# Altium PCB Main.PcbDoc (part 1 of 2)
Units mm, origin at the board's own origin, x right, y up, seen from the top; angles counter-clockwise.
Board outline 52 x 90 mm, 4 copper layers (Top Copper, Top GND, Bottom GND, Bottom Copper), stack 1.586 mm thick; 127 components, 102 nets, 535 pads, 442 vias.
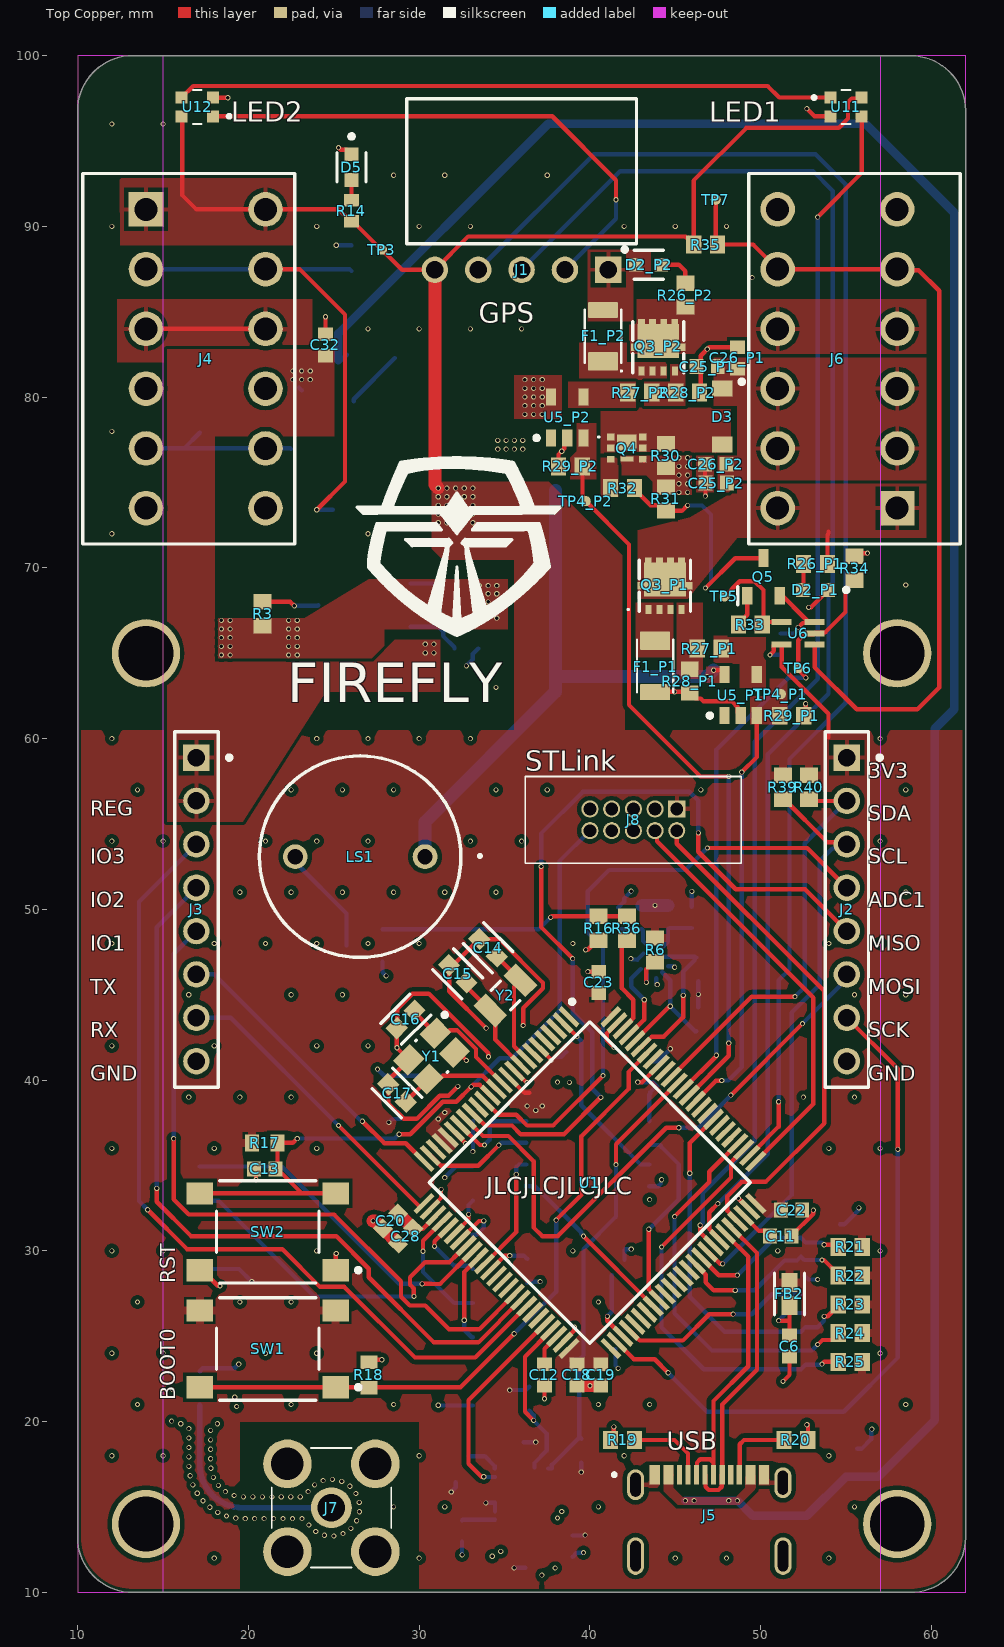
[diagram p0: Top Copper view]
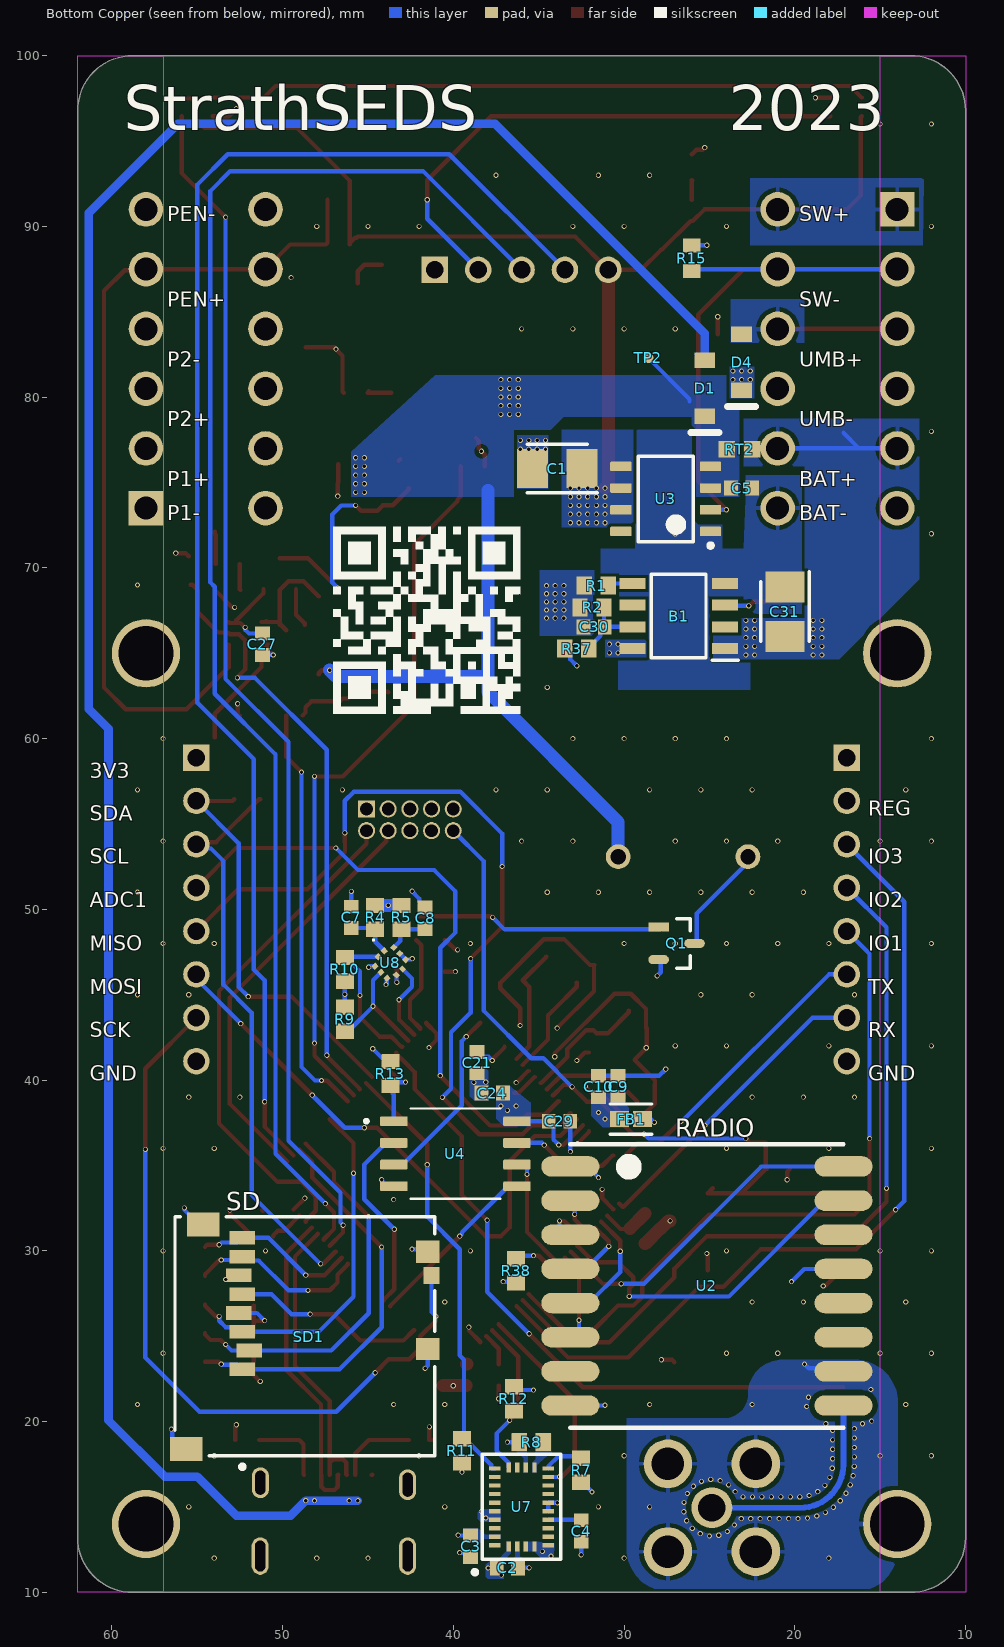
[diagram p1: Bottom Copper view, seen from below]
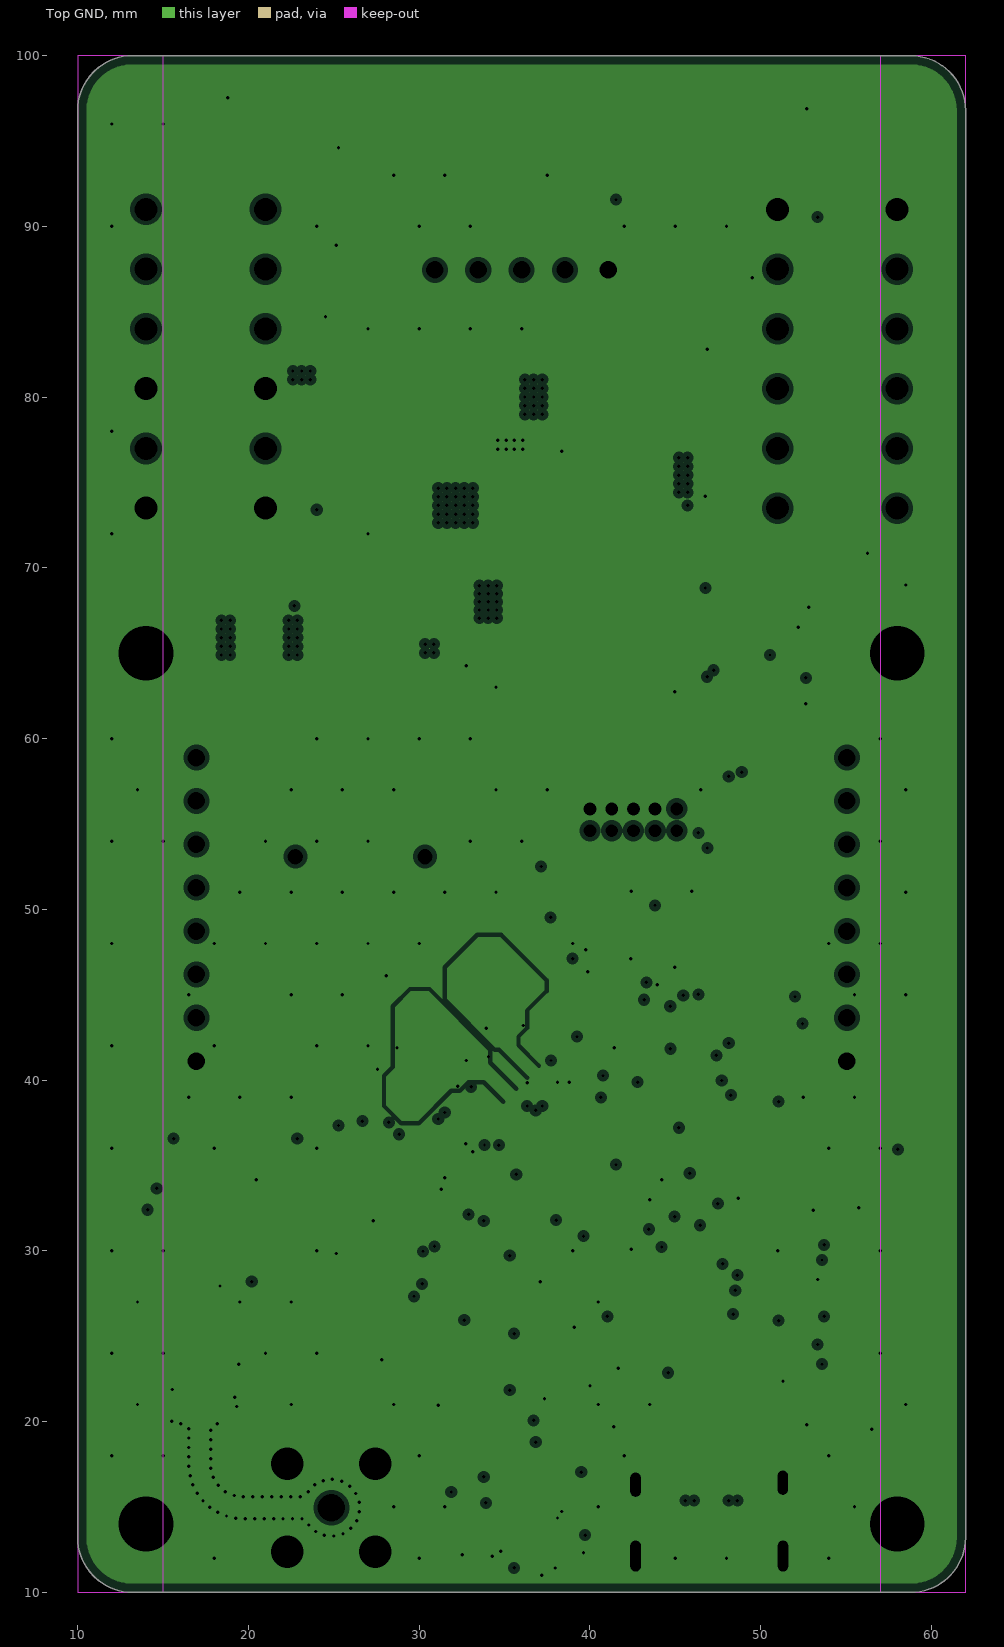
[diagram p2: Top GND, clearances drawn from the general rule]
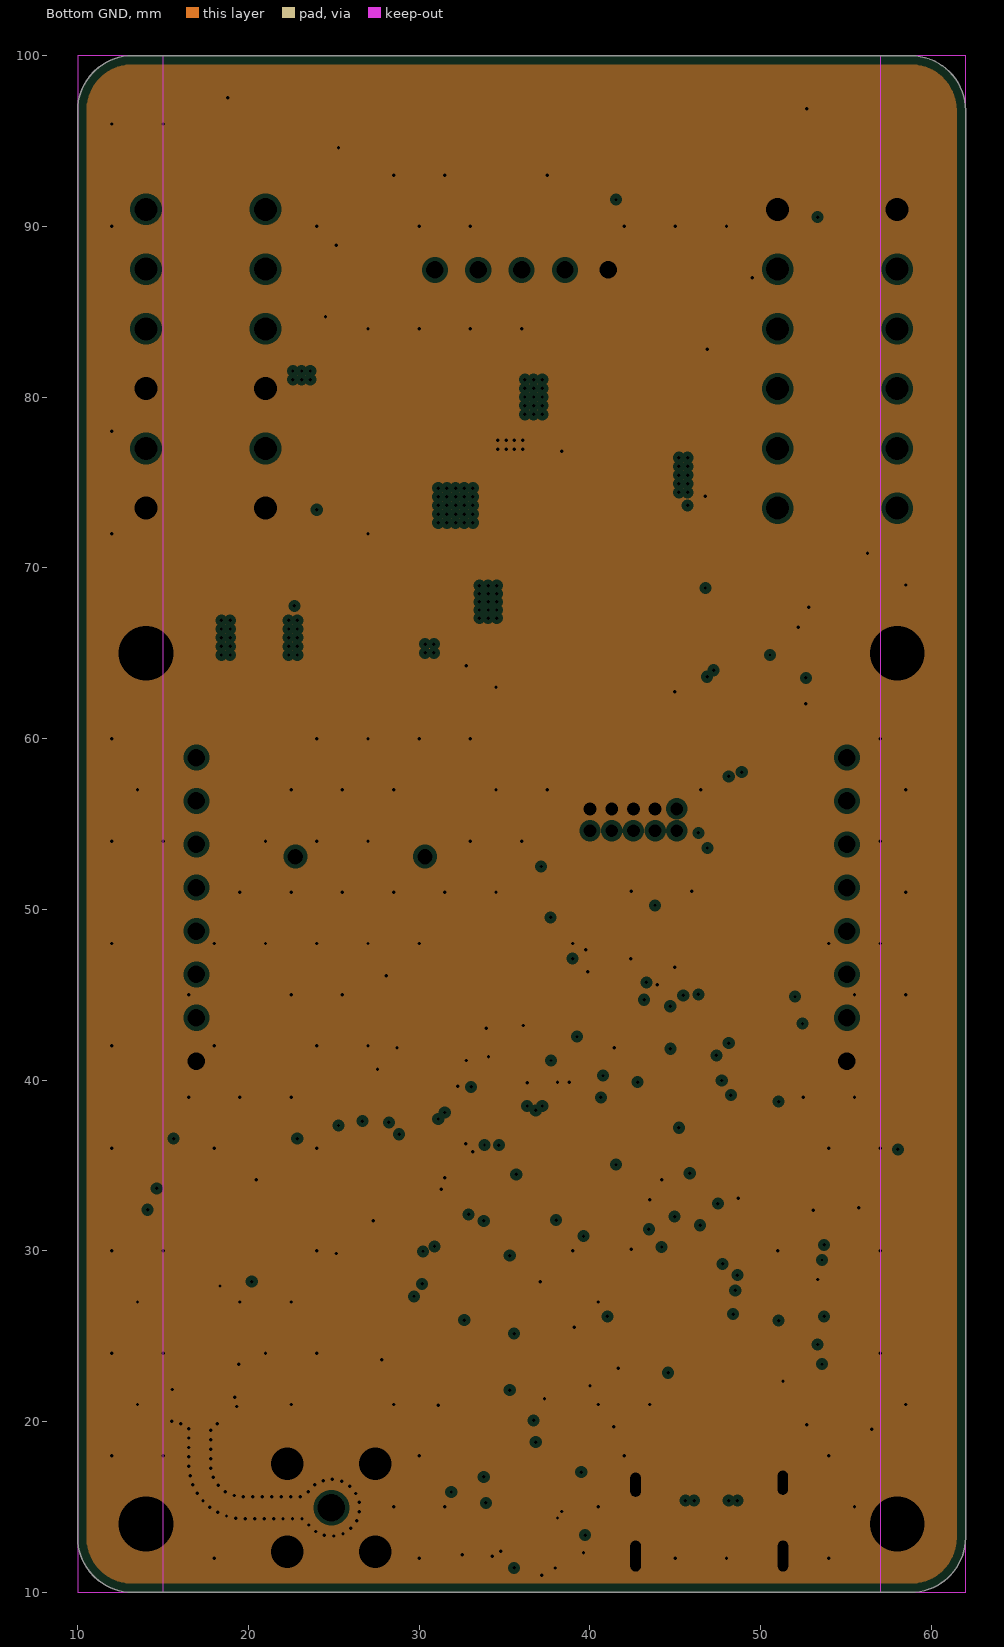
[diagram p3: Bottom GND, clearances drawn from the general rule]
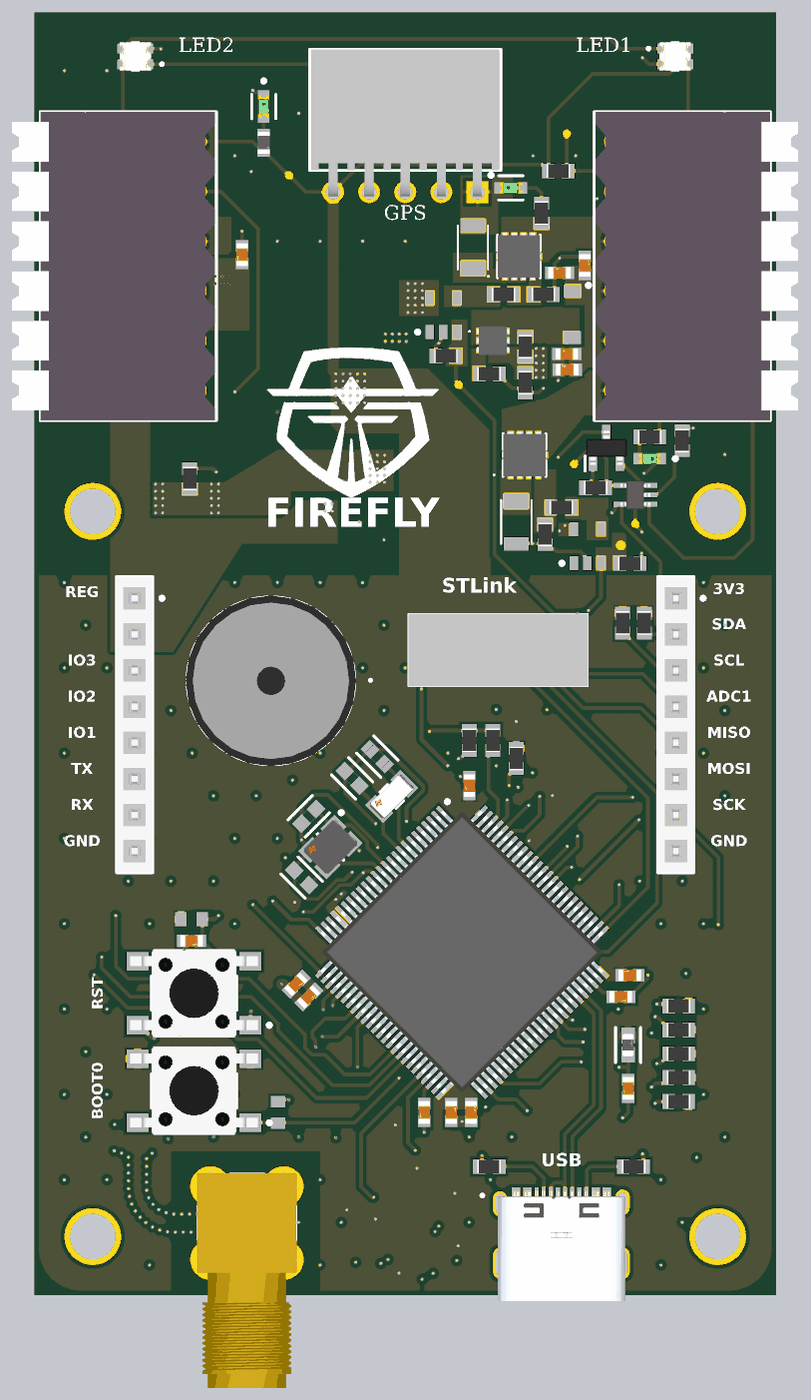
[diagram p5: 3D render of the assembled board from above, using the file's embedded part models]
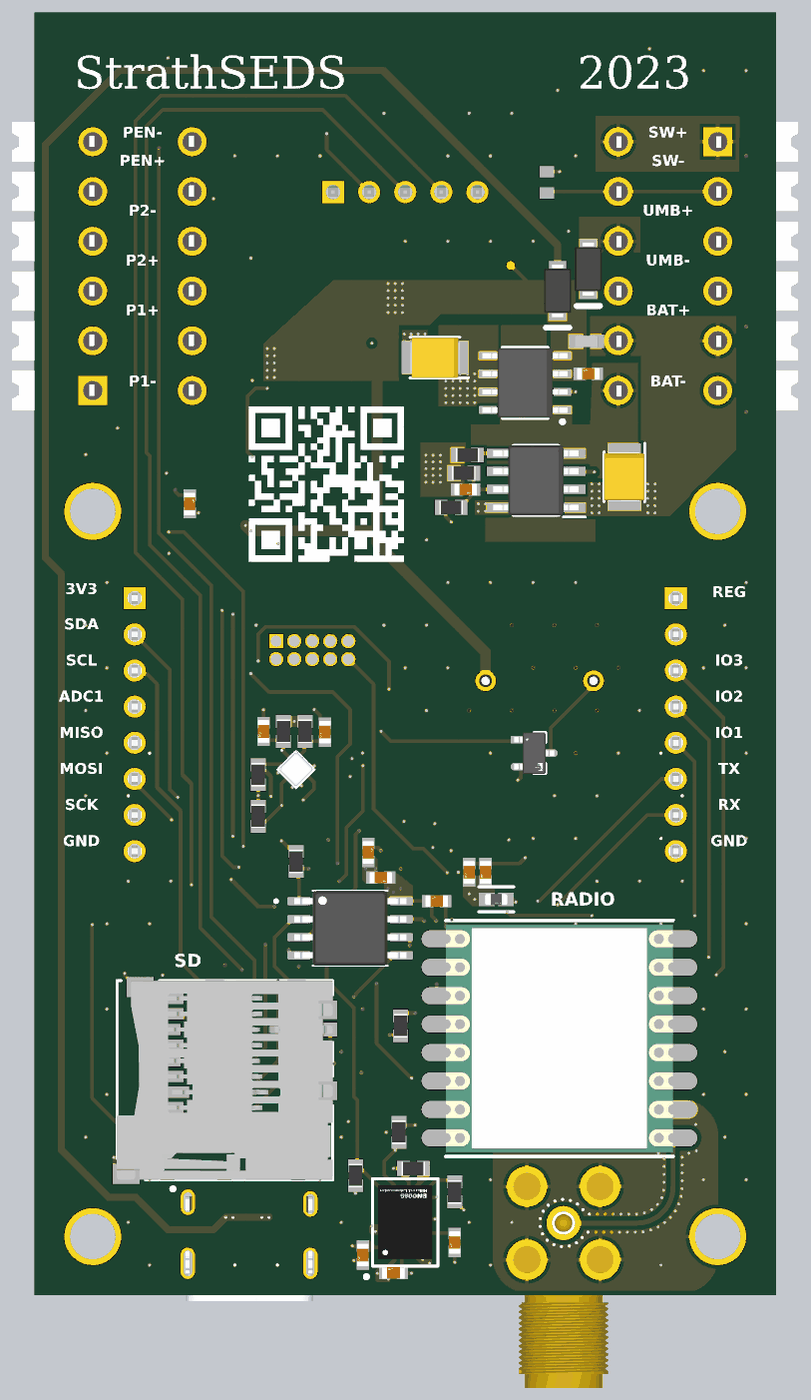
[diagram p6: 3D render of the assembled board from below, using the file's embedded part models]

## Layer stack, top to bottom
Top Mask: solder mask 0.0203, Solder Resist, Dk 3.8
Top Copper: signal copper 0.035
Dielectric 1: prepreg 0.2104, 7628, Dk 4.6
Top GND: plane copper 0.0152, net GND
Core: core 1.065, FR-4, Dk 4.6
Bottom GND: plane copper 0.0152, net GND
Dielectric 2: prepreg 0.2104, 7628, Dk 4.6
Bottom Copper: signal copper 0.035
Bottom Mask: solder mask 0.0203, Solder Resist, Dk 3.8

## Board outline
10,13.2 10,96.8 cw(c13.2,96.8) 13.2,100 58.8,100 cw(c58.8,96.8) 62,96.8 62,13.2 cw(c58.8,13.2) 58.8,10 13.2,10 cw(c13.2,13.2)

## Design rules (kind name [scope] priority, off if disabled: settings)
BoardOutlineClearance [All] p1: gap=0.2 ignorepadtopadclearanceinfootprint=FALSE
Clearance [All] p1: gap=0.254 ignorepadtopadclearanceinfootprint=TRUE except(0: Arc-Hole Track-Hole SMDPad-Hole THPad-Hole Via-Hole Fill-Hole Poly-Hole Region-Hole Text-Hole; 0.09: Arc-Arc Arc-Track Track-Track; 0.127: SMDPad-SMDPad; 0.2: Arc-SMDPad Track-SMDPad SMDPad-Fill SMDPad-Poly SMDPad-Region Fill-Fill Fill-Poly Fill-Region Poly-Poly Poly-Region Region-Region; 0.33: Arc-THPad Track-THPad; 0.5: THPad-THPad)
DiffPairsRouting [All] p1: maxlimit=0.254 minlimit=0.09 mostfreqgap=0.254 toplayer_minwidth=0.09 toplayer_maxwidth=0.381 toplayer_prefwidth=0.254 bottomlayer_minwidth=0.09 bottomlayer_maxwidth=0.381 bottomlayer_prefwidth=0.254 maxuncoupledlength=12.7
HoleSize [All] p1: absolutevalues=TRUE maxlimit=6.3 minlimit=0.2 maxpercent=80.000 minpercent=20.000
MinimumSolderMaskSliver [All] p1: minsoldermaskwidth=0.09
PlaneClearance [All] p1: clearance=0.254
PlaneConnect [All] p1: pad.planeconnectstyle=Relief pad.reliefexpansion=0.254 pad.reliefentries=4 pad.reliefconductorwidth=0.254 pad.reliefairgap=0.254 via.planeconnectstyle=Direct via.reliefexpansion=0.508 via.reliefentries=4 via.reliefconductorwidth=0.254 via.reliefairgap=0.254
PolygonConnect PolygonConnect_vcc [IsNamedPolygon('VCC_L01_P242')] p1: thpad.connectstyle=Relief thpad.reliefconductorwidth=0.254 thpad.reliefentries=4 thpad.polygonreliefangle="90 Angle" thpad.airgapwidth=0.254 smdpad.connectstyle=Relief smdpad.reliefconductorwidth=0.5 smdpad.reliefentries=4 smdpad.polygonreliefangle="90 Angle" smdpad.airgapwidth=0.127 via.connectstyle=Direct via.reliefconductorwidth=0.254 via.reliefentries=4 via.polygonreliefangle="90 Angle" via.airgapwidth=0.254
PolygonConnect [All] p2: thpad.connectstyle=Relief thpad.reliefconductorwidth=0.254 thpad.reliefentries=4 thpad.polygonreliefangle="90 Angle" thpad.airgapwidth=0.254 smdpad.connectstyle=Direct smdpad.reliefconductorwidth=0.254 smdpad.reliefentries=4 smdpad.polygonreliefangle="90 Angle" smdpad.airgapwidth=0.254 via.connectstyle=Direct via.reliefconductorwidth=0.254 via.reliefentries=4 via.polygonreliefangle="90 Angle" via.airgapwidth=0.254
RoutingVias [All] p1: holewidth=0.2 width=0.35 viastyle="Through Hole" minholewidth=0.15 minwidth=0.25 maxholewidth=0.711 maxwidth=1.27 useviatemplates=TRUE viatemplateguid#1={842D295A-8E56-4614-9B11-91D02DC00ACA} viatemplateguid#2={7C6A3F83-D217-419B-9190-88431C2A1CC1} viatemplatename#1=v30h20 viatemplatename#2=v35h20
SolderMaskExpansion SolderMaskExpansion_via [IsVia] p1: expansion=0.102 istentingtop=TRUE
SolderMaskExpansion [All] p2: expansion=0.05 istentingtop=FALSE
Width Width_ANT [InNet('ANT')] p1: maxlimit=0.346 minlimit=0.345 preferedwidth=0.346 toplayer_maxwidth=0.345 toplayer_prefwidth=0.345 bottomlayer_minwidth=0.346 impedanceprofiledriven=TRUE impedanceprofileid={C9A75A39-6BB0-4BA3-88C8-EAFAC334B116} impedanceprofilevalue=50.000000 minimp=50.000000 maximp=50.000000 favimp=50.000000
Width [All] p2: maxlimit=0.76 minlimit=0.09 preferedwidth=0.254
25 further rules are at their usual default settings.

## Classes and differential pairs
net class Pyro_Low_[1..2]: Pyro_Low_1 Pyro_Low_2
net class Pyro_High_[1..2]: Pyro_High_1
net class Pyro_Fire_[1..2]: Pyro_Fire_1 Pyro_Fire_2
component class Recovery: LS1 Q1 R16 R36
channel class Pyro: P1 P2
component class "Pyro Power": C27 D3 Q4 Q5 R30 R31 R32 R33 R34 R35 TP5 TP6 TP7 U6 X?
component class P2: C25_P2 C26_P2 D2_P2 F1_P2 P?_Pyro2 Q3_P2 Q?_Pyro2 R26_P2 R27_P2 R28_P2 R29_P2 TP4_P2 U5_P2 U?_Pyro2
component class P1: C25_P1 C26_P1 D2_P1 F1_P1 P?_Pyro1 Q3_P1 Q?_Pyro1 R26_P1 R27_P1 R28_P1 R29_P1 TP4_P1 U5_P1 U?_Pyro1
component class Radio: J7 U2
component class Storage: C6 C29 FB2 R13 R21 R22 R23 R24 R25 SD1 U4
component class Sensors: C2 C3 C4 C7 C8 R4 R5 R6 R7 R8 R9 R10 R11 R12 U7 U8
component class Power: B1 C1 C5 C30 C31 C32 D1 D4 D5 R1 R2 R3 R14 R15 R37 RT2 TP2 TP3 U3
component class MCU: C9 C10 C11 C12 C13 C14 C15 C16 C17 C18 C19 C20 C21 C22 C23 C24 C28 FB1 R17 R18 R38 SW1 SW2 U1 U11 U12 Y1 Y2
component class Connectors: J1 J2 J3 J4 J5 J6 J8 R19 R20 R39 R40
differential pair USB_Data: +USB_Data_P -USB_Data_N

## Components (designator, comment, footprint, x,y, rotation, side; value= is the part's Value field where it differs from the comment)
B1 "LP2954IMX_NOPB" SOIC127P600X175-8N 26.797,67.183 r0 bottom
C1 "TPSB226K010R0500" CAPPM3528X210N 33.909,75.819 r0 bottom
C2 "Generic-Capacitor" FP-0603-L_1_6_0_15-W_0_81-IPC_C 36.83,11.43 r0 bottom value=100nF
C3 "Generic-Capacitor" FP-0603-L_1_6_0_15-W_0_81-IPC_C 38.989,12.7 r270 bottom value=100nF
C4 "Generic-Capacitor" FP-0603-L_1_6_0_15-W_0_81-IPC_C 32.512,13.589 r270 bottom value=100nF
C5 "Generic-Capacitor" FP-0603-L_1_6_0_15-W_0_81-IPC_C 23.114,74.676 r0 bottom value=100nF
C6 "Generic-Capacitor" FP-0603-L_1_6_0_15-W_0_81-IPC_C 51.689,24.425 r270 top value=100nF
C7 "Generic-Capacitor" FP-0603-L_1_6_0_15-W_0_81-IPC_C 45.974,49.53 r270 bottom value=100nF
C8 "Generic-Capacitor" FP-0603-L_1_6_0_15-W_0_81-IPC_C 41.656,49.48 r270 bottom value=100nF
C9 "Generic-Capacitor" FP-0603-L_1_6_0_15-W_0_81-IPC_C 30.353,39.624 r270 bottom value=100nF
C10 "Generic-Capacitor" FP-0603-L_1_6_0_15-W_0_81-IPC_C 31.496,39.624 r270 bottom value=1uF
C11 "Generic-Capacitor" FP-0603-L_1_6_0_15-W_0_81-IPC_C 51.181,30.861 r0 top value=2.2nF
C12 "Generic-Capacitor" FP-0603-L_1_6_0_15-W_0_81-IPC_C 37.338,22.733 r270 top value=2.2nF
C13 "Generic-Capacitor" FP-0603-L_1_6_0_15-W_0_81-IPC_C 20.955,34.798 r0 top value=100nF
C14 "0603CG4R3C500NT" FP-CL10-IPC_B 34.036,47.752 r135 top value=4.3pF
C15 "0603CG4R3C500NT" FP-CL10-IPC_B 32.258,46.228 r135 top value=4.3pF
C16 "CL10C060DB8NNNC" FP-CL10-IPC_B 29.21,43.561 r225 top value=6pF
C17 "CL10C060DB8NNNC" FP-CL10-IPC_B 28.702,39.243 r135 top value=6pF
C18 "Generic-Capacitor" FP-0603-L_1_6_0_15-W_0_81-IPC_C 39.243,22.733 r90 top value=4.7uF
C19 "Generic-Capacitor" FP-0603-L_1_6_0_15-W_0_81-IPC_C 40.64,22.733 r90 top value=100nF
C20 "Generic-Capacitor" FP-0603-L_1_6_0_15-W_0_81-IPC_C 28.321,31.75 r45 top value=100nF
C21 "Generic-Capacitor" FP-0603-L_1_6_0_15-W_0_81-IPC_C 38.608,41.021 r90 bottom value=100nF
C22 "Generic-Capacitor" FP-0603-L_1_6_0_15-W_0_81-IPC_C 51.816,32.385 r180 top value=100nF
C23 "Generic-Capacitor" FP-0603-L_1_6_0_15-W_0_81-IPC_C 40.513,45.72 r270 top value=100nF
C24 "Generic-Capacitor" FP-0603-L_1_6_0_15-W_0_81-IPC_C 37.719,39.243 r180 bottom value=100nF
C25_P1 "Generic-Capacitor" FP-0603-L_1_6_0_15-W_0_81-IPC_C 46.863,81.788 r180 top value=22nF (schematic designator C25)
C25_P2 "Generic-Capacitor" FP-0603-L_1_6_0_15-W_0_81-IPC_C 47.402,74.97 r180 top value=22nF (schematic designator C25)
C26_P1 "Generic-Capacitor" FP-0603-L_1_6_0_15-W_0_81-IPC_C 48.641,82.296 r90 top value=22nF (schematic designator C26)
C26_P2 "Generic-Capacitor" FP-0603-L_1_6_0_15-W_0_81-IPC_C 47.371,76.073 r180 top value=22nF (schematic designator C26)
C27 "Generic-Capacitor" FP-0603-L_1_6_0_15-W_0_81-IPC_C 51.181,65.532 r90 bottom value=100nF
C28 "Generic-Capacitor" FP-0603-L_1_6_0_15-W_0_81-IPC_C 29.21,30.861 r45 top value=100nF
C29 "Generic-Capacitor" FP-0603-L_1_6_0_15-W_0_81-IPC_C 33.782,37.592 r0 bottom value=100nF
C30 "Generic-Capacitor" FP-0603-L_1_6_0_15-W_0_81-IPC_C 31.75,66.548 r180 bottom value=100pF
C31 "TPSB226K010R0500" CAPPM3528X210N 20.574,67.437 r270 bottom
C32 "Generic-Capacitor" FP-0603-L_1_6_0_15-W_0_81-IPC_C 24.511,83.058 r270 top value=1uF
D1 "SM4007PL-TP" MCC-SOD-123FL_V 25.273,80.518 r270 bottom
D2_P1 "Red LED" FP-LTST-C190GKT-MFG 53.213,68.707 r180 top (schematic designator D2)
D2_P2 "Red LED" FP-LTST-C190GKT-MFG 43.434,87.757 r0 top (schematic designator D2)
D3 "B5819W" MCC-SOD123_V 47.752,78.867 r90 top
D4 "SM4007PL-TP" MCC-SOD-123FL_V 23.114,82.042 r270 bottom
D5 "Red LED" FP-LTST-C190GKT-MFG 26.035,93.472 r270 top
F1_P1 "1.5A/1S" RESC3115X65N 43.815,64.262 r270 top (schematic designator F1)
F1_P2 "1.5A/1S" RESC3115X65N 40.767,83.566 r90 top (schematic designator F1)
FB1 "GZ1608D601TF" FP-BLM18-0_15-0_1-t0_6-IPC_B 29.591,37.719 r180 bottom value=600R
FB2 "GZ1608D601TF" FP-BLM18-0_15-0_1-t0_6-IPC_B 51.689,27.473 r90 top value=600R
J1 "SSQ-105-02-G-S-RA" SMTC-SSQ-105-02-X-S-RA 41.08,87.46 r180 top locked
J2 "PPPC081LFBN-RC" SLIN-PPPC081LFBN-RC_V 55.05,50 r270 top locked
J3 "PPPC081LFBN-RC" SLIN-PPPC081LFBN-RC_V 16.95,50 r270 top locked
J4 "1824460000" SHDR12W80P700X350_2X6_2170X1400X850P 14,91 r270 top locked
J5 "YTC-TC16S-23" VALCON_CSP-USC16-TR 47,16.891 r0 top locked
J6 "1824460000" SHDR12W80P700X350_2X6_2170X1400X850P 58,73.5 r90 top locked
J7 "PCB.SMAFRA.HT" PCBSMAFRAHT 24.857,14.951 r180 top locked
J8 "20021511-00010T4LF" 2002151100010T4LF 45.085,55.88 r180 top
LS1 "KXG1203C" KXG1203C 26.543,53.086 r90 top
Q1 "AO3400A" FP-SOT23-IPC_C 26.924,48.006 r180 bottom
Q3_P1 "AON7544" AON7544 44.394,68.964 r0 top (schematic designator Q3)